# Altium PCB Screen_PCB_250426.PcbDoc (continued)
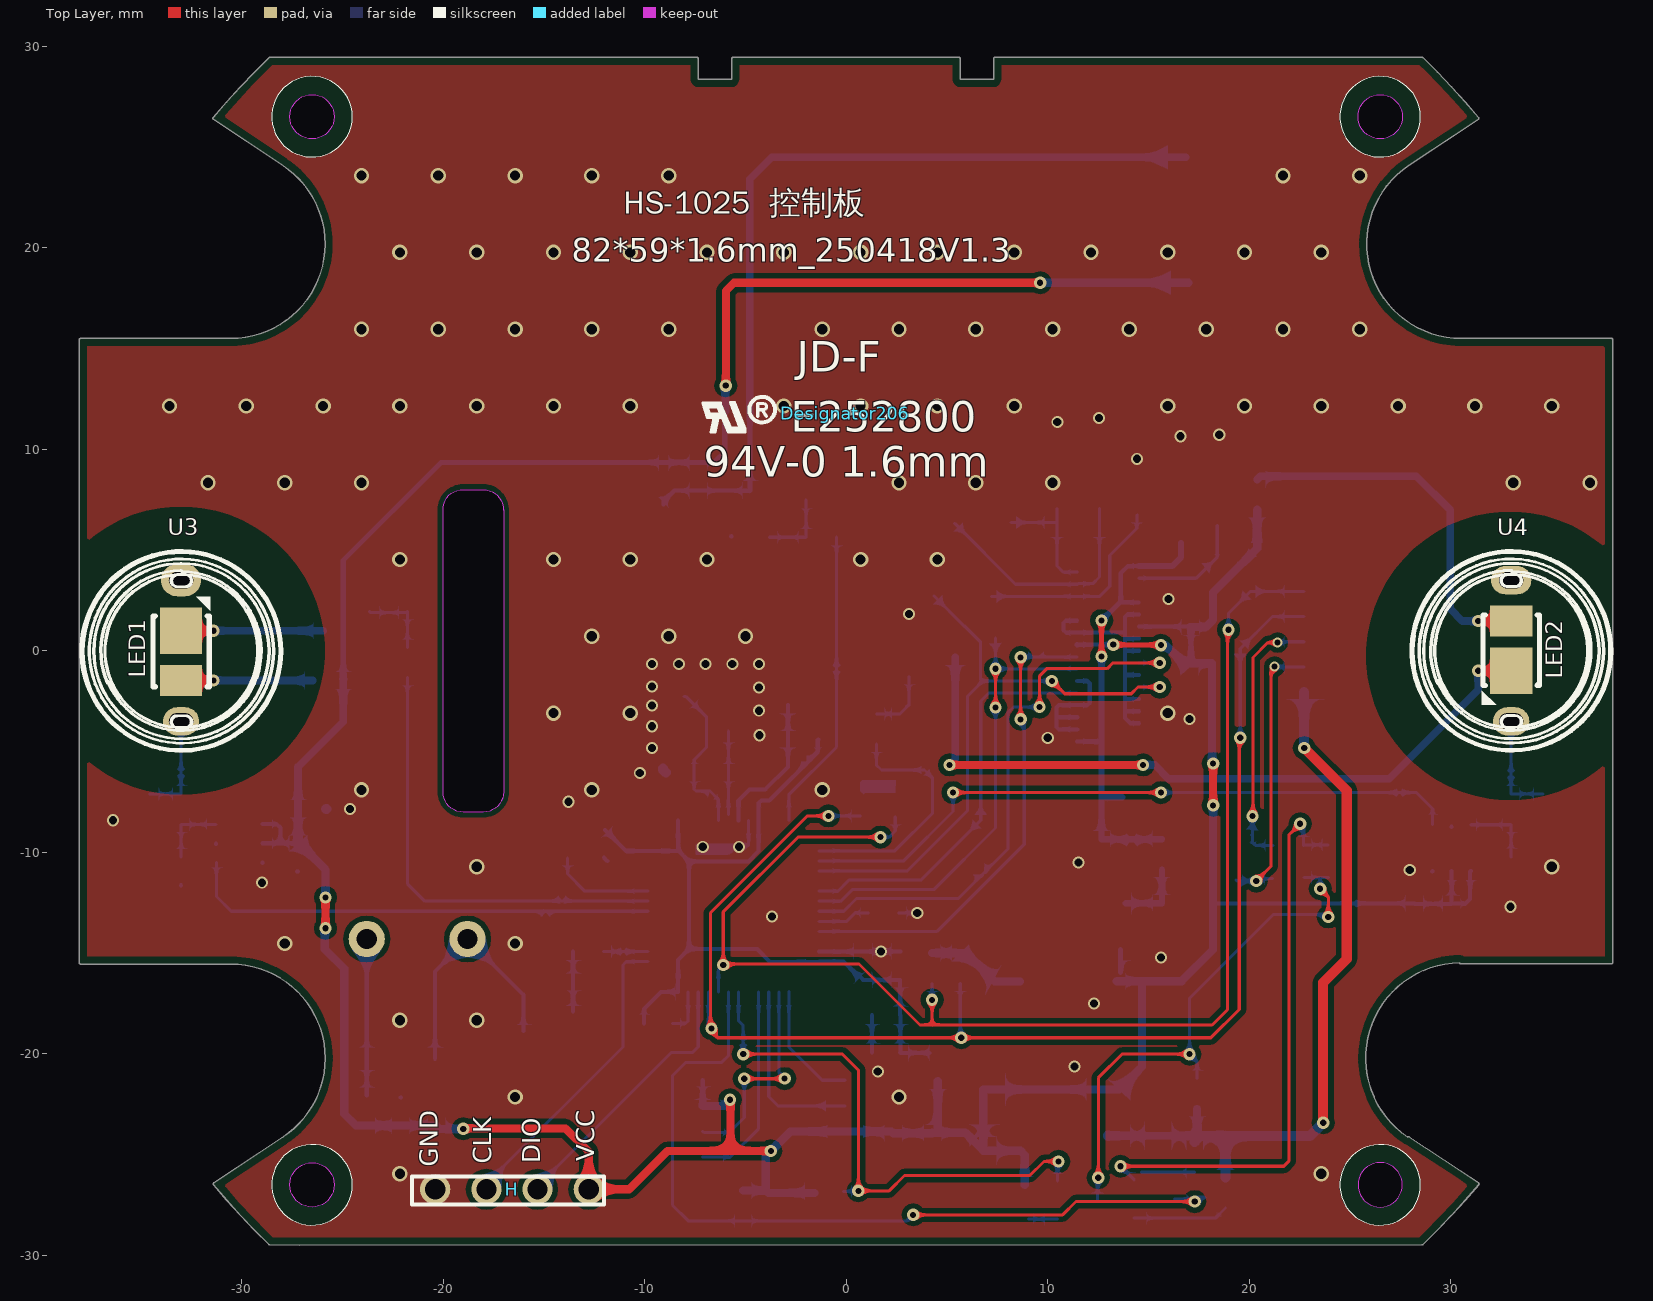
[diagram p0: Top Layer view]
## Footprints (in the part's own frame and the unit in brackets; to place one, negate y for a bottom-side part, rotate by r counter-clockwise, add the part's x,y. Pads: shape width x height; smd on the part's side, far side on the other; paste and mask are expansions set on the pad)
1.5MM测试点#1 [mm]
  oval 2.54x1.27 smd: 1(0,0)
1.5MM测试点#2 [mm]
  oval 2.54x1.27 smd: 1(0.33,0)
BUZ-TH_BD9.0-P5.00-D0.6-FD [mm]
  round 1.8 hole 1 copper offset 0,0: 1(-2.5,0)
  round 1.8 hole 1: 2(2.5,0)
  silkscreen extent -4.6,-4.6 4.6,4.6, body extent -4.5,-4.5 4.5,4.5, height 5.54
C0603 [mm]
  rect 0.8x0.9 smd paste+0 mask+0.051: 1(-0.7,0) 2(0.7,0)
  silkscreen extent -1.41,-0.71 1.39,0.72, body extent -0.8,-0.41 0.8,0.39, height 0.8
C0805 [mm]
  rect 1.41x1.35 smd paste-100 mask+0.051: 1(-1,0) 2(1,0)
  silkscreen extent -1.96,-0.9 1.96,0.9, body extent -1,-0.65 1,0.65, height 1.33
CAP-SMD_L3.2-W1.6-RD [mm]
  rect 1.5x1.296 smd paste+0 mask+0.051: 1(-1.686,0) 2(1.686,0)
  silkscreen extent -2.06,-0.95 1.68,0.95
CONN-SMD_6P-P1.25_HC-1.25-6PLT [mm] "立式"
  rect 0.7x2 smd: 1(3.125,1.273) 2(1.875,1.273) 3(0.625,1.274) 4(-0.625,1.275) 5(-1.875,1.275) 6(-3.125,1.277)
  rect 2.35x2.5 smd paste+0 mask+0.05: 7(5.4,-1.277) 8(-5.4,-1.277)
  silkscreen extent -6.11,-2.12 6.09,1.58
CRYSTAL-SMD_4P-L3.2-W2.5-BL [mm]
  rect 1.4x1.2 smd: 1(-1.1,-0.85) 2(1.1,-0.85) 3(1.1,0.85) 4(-1.1,0.85)
  silkscreen extent -2.26,-1.91 2.03,1.68
D0603-BI [mm]
  rect 0.873x0.907 smd paste-100 mask+0.051: 1(-0.622,0) 2(0.622,0)
  silkscreen extent -1.52,-0.68 1.52,0.68
F6.5-10-4.5-0.5Z#1 [mm]
  oval 1.4x1.8 hole 0.8 slot 1.2 at 90 deg paste+0 mask+0.05: 1(-3.5,0)
  oval 1.6x2 hole 0.8 slot 1.2 at 90 deg paste+0 mask+0.05: 1(3.5,0)
  silkscreen extent -5,-5 5,5, body extent -5,-5 5,5, height 7.96
F6.5-10-4.5-0.5Z#2 [mm]
  oval 1.4x1.8 hole 0.8 slot 1.2 at 90 deg paste+0 mask+0.05: 1(-3.5,0)
  oval 1.4x2 hole 0.8 slot 1.2 at 90 deg paste+0 mask+0.05: 1(3.5,0)
  silkscreen extent -5,-5 5,5, body extent -5,-5 5,5, height 7.96
FPC-SMD_31P-P0.30_HDGC_0.3K-HX-31PWB [mm]
  rect 0.3x0.67 smd paste+0 mask+0.05: 1(4.5,1.533) 3(3.9,1.533) 5(3.3,1.533) 7(2.7,1.533) 9(2.1,1.533) 11(1.5,1.533) 13(0.9,1.533) 15(0.3,1.533) 17(-0.3,1.533) 19(-0.9,1.533) 21(-1.5,1.533) 23(-2.1,1.533) 25(-2.7,1.533) 27(-3.3,1.533) 29(-3.9,1.533) 31(-4.5,1.533)
  rect 0.3x0.5 smd paste+0 mask+0.05: 2(4.2,-1.533) 4(3.6,-1.533) 6(3,-1.533) 8(2.4,-1.533) 10(1.8,-1.533) 12(1.2,-1.533) 14(0.6,-1.533) 16(0,-1.533) 18(-0.6,-1.533) 20(-1.2,-1.533) 22(-1.8,-1.533) 24(-2.4,-1.533) 26(-3,-1.533) 28(-3.6,-1.533) 30(-4.2,-1.533)
  rect 0.35x1 smd paste+0 mask+0.05: 32(-5.3,1.268) 33(5.3,1.268)
  silkscreen extent -5.75,-2.43 5.75,2.29
IND-SMD_L4.0-W4.0 [mm]
  rect 1.6x3.5 smd: 1(-1.6,0) 2(1.6,0)
  silkscreen extent -2.08,-2.1 2.08,2.1, body extent -2.01,-2.01 2.01,1.99, height 1.9
JD2 [mm] "骏达丝印"
  silkscreen extent -7.07,-0.95 -3.48,0.81
L0603 [mm]
  rect 0.8x0.864 smd paste-100 mask+0.051: 1(-0.7,0) 2(0.7,0)
  silkscreen extent -1.42,-0.65 1.41,0.67
LED-SMD_L3.5-W2.8-FD-2835_WHITE [mm]
  rect 2.3x2.1 smd: 1(1.231,0)
  rect 1.55x2.1 smd: 2(-1.231,0)
  silkscreen extent -1.54,-1.45 2.92,1.4, body extent -1.56,-1.4 2,1.4, height 2.32
LQFP-48_L7.0-W7.0-P0.50-LS9.0-BL [mm]
  oval 0.27x1.5 smd paste+0 mask+0.05: 1(-2.75,-4.25) 2(-2.25,-4.25) 3(-1.75,-4.25) 4(-1.25,-4.25) 5(-0.75,-4.25) 6(-0.25,-4.25) 7(0.25,-4.25) 8(0.75,-4.25) 9(1.25,-4.25) 10(1.75,-4.25) 11(2.25,-4.25) 12(2.75,-4.25) 25(2.75,4.25) 26(2.25,4.25) 27(1.75,4.25) 28(1.25,4.25) 29(0.75,4.25) 30(0.25,4.25) 31(-0.25,4.25) 32(-0.75,4.25) 33(-1.25,4.25) 34(-1.75,4.25) 35(-2.25,4.25) 36(-2.75,4.25)
  oval 1.5x0.27 smd paste+0 mask+0.05: 13(4.25,-2.75) 14(4.25,-2.25) 15(4.25,-1.75) 16(4.25,-1.25) 17(4.25,-0.75) 18(4.25,-0.25) 19(4.25,0.25) 20(4.25,0.75) 21(4.25,1.25) 22(4.25,1.75) 23(4.25,2.25) 24(4.25,2.75) 37(-4.25,2.75) 38(-4.25,2.25) 39(-4.25,1.75) 40(-4.25,1.25) 41(-4.25,0.75) 42(-4.25,0.25) 43(-4.25,-0.25) 44(-4.25,-0.75) 45(-4.25,-1.25) 46(-4.25,-1.75) 47(-4.25,-2.25) 48(-4.25,-2.75)
  silkscreen extent -3.59,-4.46 3.3,3.34, body extent -4.5,-4.5 4.5,4.5, height 1.45
R0603 [mm]
  rect 0.806x0.864 smd paste-100 mask+0.051: 1(-0.753,0) 2(0.753,0)
  silkscreen extent -1.39,-0.66 1.39,0.66, body extent -0.8,-0.39 0.8,0.41, height 0.8
SIP4-2.54 [mm]
  round 1.5 hole 1: 1(0,-3.81) 2(0,-1.27) 3(0,1.27) 4(0,3.81)
  silkscreen extent -0.76,-4.57 0.64,4.95
SOD-123_L2.8-W1.8-LS3.7-RD [mm]
  rect 0.95x1.15 smd: 1(-1.692,0) 2(1.692,0)
  silkscreen extent -1.58,-0.87 1.41,0.87
SOD-323_L1.7-W1.3-LS2.5-FD [mm]
  rect 0.78x0.5 smd: 1(-1.04,0) 2(1.04,0)
  silkscreen extent -0.93,-0.78 1.15,0.78
SOD-323_L1.8-W1.3-LS2.5-RD [mm]
  rect 1x0.75 smd: 1(-1.173,0) 2(1.173,0)
  silkscreen extent -1.08,-0.8 0.9,0.8
SOD-523_L1.2-W0.8-LS1.6-BI [mm]
  rect 0.6x0.6 smd: 1(-0.75,0) 2(0.75,0)
  silkscreen extent -0.65,-0.5 0.65,0.5
SOIC-8_L5.3-W5.3-P1.27-LS8.0-BL [mm]
  oval 0.63x2.25 smd: 1(-1.905,-3.53) 2(-0.635,-3.53) 3(0.635,-3.53) 4(1.905,-3.53) 5(1.905,3.53) 6(0.635,3.53) 7(-0.635,3.53) 8(-1.905,3.53)
  silkscreen extent -2.82,-3.68 2.64,2.18, body extent -2.65,-3.95 2.65,3.95, height 2.07
SOT-23-3_L2.9-W1.3-P1.90-LS2.4-BR [mm]
  rect 1.25x0.7 smd paste+0 mask+0.051: 1(1,-0.95) 2(1,0.95) 3(-1,0)
  silkscreen extent -0.73,-1.53 0.73,1.53
SOT-23-3_L2.9-W1.6-P1.90-LS2.8-BR [mm]
  rect 1.07x0.6 smd paste+0 mask+0.051: 1(1.235,-0.95) 2(1.235,0.95) 3(-1.235,0)
  silkscreen extent -0.88,-1.54 0.88,1.54
SOT-23-6_L2.9-W1.6-P0.95-LS2.8-BL [mm]
  rect 0.532x1.072 smd: 1(-0.95,-1.149) 2(0,-1.149) 3(0.95,-1.149) 4(0.95,1.149) 5(0,1.149) 6(-0.95,1.149)
  silkscreen extent -1.82,-1.45 1.54,0.89, body extent -1.44,-1.4 1.44,1.4, height 1.64
SOT-23-6_L2.9-W1.7-P0.95-LS2.8-BL [mm]
  rect 0.532x0.99 smd: 1(-0.95,-1.145) 2(0,-1.145) 3(0.95,-1.145) 4(0.95,1.145) 5(0,1.145) 6(-0.95,1.145)
  silkscreen extent -1.75,-1.37 1.53,0.93
SOT-23_L2.9-W1.3-P1.90-LS2.4-BR [mm]
  rect 1x0.8 smd: 1(1.15,-0.95) 2(1.15,0.95) 3(-1.15,0)
  silkscreen extent -0.7,-1.5 0.7,1.5
SOT-223_L6.7-W3.5-P2.30-BR [mm]
  rect 2.2x1.1 smd paste+0 mask+0.051: 1(3.099,-2.3) 2(3.099,0) 3(3.099,2.3)
  rect 2.2x3.5 smd paste+0 mask+0.051: 4(-3.099,0)
  silkscreen extent -1.8,-3.55 1.8,3.55
Test-Point-0.5mm#1 [mm]
  round 0.8 smd: 1(0,0)
Test-Point-0.5mm#2 [mm]
  round 0.5 smd: 1(0,0)
Test-Point-1.0mm [mm]
  round 0.8 smd: 1(0,0)
工艺要求FR4双面 [mil]
  round 5 on Top Overlay: 1(-831.3,398.3) 1(-831.3,603.02) 1(-831.3,799.87) 1(2977.08,398.3)
  silkscreen extent -2977,-800 2977,800
版本修改 [mm]
  silkscreen extent 0,-11.51 49.28,0

## Part data
BUZZER1: library part HNB09A03
C1 C3: library part HGC0603R5226M100NTHJ
C15 C16 C17: library part CAP-EC, "Capacitor"
C31: library part CL21B475KAFNNNE
C32 C33: library part CAP, "Capacitor"
D1: library part 1N5819WS_C191023
D6: library part 1N4148W_C2099
D7: library part B5819WS_C7420331
H: "Connector"
L1: library part YNR4030-100M
Q1 Q2: library part SI2302_C2938373
Q3: library part PNP-S8550_C397181
R1 R11 R12 R13 R15 R18: library part 0603WAF1002T5E
R2: library part 0603WAF2203T5E
R10: library part RS-03K1001FT
R16 R19: library part 0603WAF1002T5E_1
R20 R21: library part RES-SMD
T1 T2: library part CON1, "Connector"
TP1 TP2 TP3 TP4 TP5 TP6 TP7 TP8 TP9 TP10 TP11 TP12 TP13 TP14 TP15 TP16 TP17 TP18 TP19 TP20 TP21: "Test Point 测试点"
U3 U4: library part F6.5-10-4.6-0.5Z

## Via types
v1: diameter 0.762, hole 0.508, Top Layer to Bottom Layer, tented both sides, 83 vias
v2: diameter 0.6, hole 0.406, Top Layer to Bottom Layer, 38 vias
v3: diameter 0.61, hole 0.305, Top Layer to Bottom Layer, 29 vias
v4: diameter 0.61, hole 0.305, Top Layer to Bottom Layer, tented both sides, 25 vias
v5: diameter 0.5, hole 0.305, Top Layer to Bottom Layer, 2 vias

## Nets (pads, with @x,y where several pads share a name; then routed paths per layer and width w, separated by ;. In a path a pad name is that pad's centre, name@x,y a point inside that pad or via, vN(x,y) a via of type N, cw(c..) or ccw(c..) an arc to the next point about the centre after c; other vN are vias at no path point)
3V3: C2.2 C3.2 C4.2 C5.2 C6.2 C7.2 C10.2 C11.1 C13.2 C14.1 C18.2 C19.2 C23.1 D7.2 EC116.1 FPC1.17 FPC1.20 H.1 L1.1 L2.1 R5.2 R6.2 R7.1 R20.1 R21.2 R54.2 R55.2 R59.1 T1.1 TP14.1 U1.4 U1.5 U2.3 U2.7 U2.8 U5.4 U5.5 U6.4 U6.5 U7.2 U7.4 | length 214.3
  Top Layer w0.254: v4(13.259,0.305) 13.271,0.292 15.609,0.292 v4(15.621,0.28)
  Top Layer w0.4: v3(-5.969,13.157) -5.969,17.856 -5.563,18.263 v3(9.627,18.263)
  Top Layer w0.406: v4(-25.832,-13.767) v4(-25.832,-12.243) ; v3(-18.999,-23.724) -18.974,-23.698 -13.919,-23.698 -12.77,-24.848 H.1 -10.77,-26.721 -8.865,-24.816 -5.74,-24.816 ; v3(-5.758,-22.276) -5.74,-22.276 -5.74,-24.816 ; v4(-3.734,-24.816) -5.74,-24.816 ; v4(18.212,-7.671) v4(18.212,-5.596)
  Bottom Layer w0.203: U5.5 -28.073,-9.55 ; U5.4 -28.255,-8.6 -28.073,-8.782 -28.073,-9.55 ; C6.2 -28.073,-9.55 ; U2.7 U2.8 ; FPC1.17@11.47,0.303 13.231,0.303 v4@13.234,0.305 ; FPC1.20@14.533,1.2 17.11,1.2 17.11,1.18 C18.2@17.11,-0.624 ; 18.364,-12.533 C5.2 ; C5.2@28.194,-12.559 30.037,-12.559 C4.2@30.049,-12.547 ; U6.5@30.049,-10.924 C4.2@30.049,-12.547 ; U6.4@30.999,-10.924 30.964,-10.959 30.964,-12.318 30.734,-12.547 C4.2@30.049,-12.547
  Bottom Layer w0.254: R5.2 -24.951,4.487 -20.093,9.345 -7.367,9.345 -7.366,9.347 -6.553,9.347 -6.02,9.88 -6.02,11.904 ; FPC1.17@11.468,0.3 FPC1.17@11.47,0.303 ; v4@13.234,0.305 v4(13.259,0.305) ; 13.623,-15.965 U1.4@13.623,-14.832
  Bottom Layer w0.381: C6.2 C7.2 -27.192,-5.755 -24.951,-3.514 R5.2@-24.951,-1.45
  Bottom Layer w0.4: -5.995,11.904 -5.995,13.131 v3(-5.969,13.157) ; R21.2 5.664,-14.995 5.952,-14.995 7.366,-16.408 L1.1 ; v3(9.627,18.263) T1.1
  Bottom Layer w0.406: C6.2@-27.192,-9.576 -27.117,-9.576 -25.832,-10.861 v4(-25.832,-12.243) ; v4(-25.832,-13.767) -25.871,-13.806 -25.871,-14.795 -24.902,-15.763 -24.902,-22.977 -24.317,-23.562 R7.1 -20.332,-23.562 C13.2 -20.171,-23.724 v3(-18.999,-23.724) ; U2.7 -6.063,-22.581 v3(-5.758,-22.276) ; R59.1 -3.962,-26.78 ; R54.2@-1.566,-26.899 -3.844,-26.899 -3.962,-26.78 ; C11.1@4.547,-23.673 L2.1 ; R55.2 8.865,-25.019 8.652,-24.806 C10.2 ; C3.2 14.649,-16.394 ; 14.681,-16.479 14.681,-20.641 13.555,-21.768 U7.2 U7.4 C10.2 ; 14.708,-16.453 14.649,-16.394 ; v4(15.621,0.28) 15.849,0.28 16.753,-0.624 17.11,-0.624 18.161,-0.624 18.161,-5.418 v4(18.212,-5.596) ; C19.2 17.11,1.18 17.867,1.18 18.212,1.524 18.212,2.896 20.396,5.08 R6.2 ; v4(18.212,-7.671) 18.212,-14.834 16.651,-16.394 14.649,-16.394 ; -3.962,-26.78 -3.988,-26.755 -3.988,-25.07 v4(-3.734,-24.816) -2.769,-23.851 U2.3 2.249,-23.851 C2.2 4.267,-23.938 C11.1 5.913,-23.913 C10.2
  Bottom Layer w0.508: C6.2@-27.192,-9.576 C6.2
13V5: C1.1 C30.1 C31.1 D1.1 FPC1.1 FPC1.24 FPC1.30 R2.1 TP21.1 | length 23.8
  Top Layer w0.254: v4(12.675,-0.279) v4(12.675,1.499)
  Bottom Layer w0.203: FPC1.1 12.675,-4.5 ; 13.576,2.4 FPC1.24 ; 13.627,2.451 13.627,3.848 13.979,4.2 FPC1.30
  Bottom Layer w0.254: v4(12.675,1.499) 13.627,2.451
  Bottom Layer w0.305: C1.1@12.673,-9.355 R2.1@15.67,-9.355 ; C1.1@12.673,-9.343 12.673,-7.344 12.675,-7.342 ; v4(12.675,-0.279) 12.675,-4.5 12.675,-7.342 ; C31.1 12.752,-7.264 12.675,-7.342 ; FPC1.30 16.189,4.2 16.612,4.623 C30.1@16.612,5.333
BUZZER: R10.1 TP11.1 U8.38 | length 2.2
  Bottom Layer w0.152: R10.1 U8.38
GND: C1.2 C2.1 C3.1 C4.1 C5.1 C6.1 C7.1 C8.1 C9.1 C10.1 C11.2 C12.1 C13.1 C14.2 C15.2 C16.2 C17.2 C18.1 C19.1 C20.1 C21.1 C22.1 C24.1 C25.1 C26.1 C27.1 C28.1 C29.1 C30.2 C31.2 C32.2 C33.2 CN2.6 D2.2 D3.2 D4.1 D5.1 FPC1.3 FPC1.4 FPC1.5 FPC1.6 FPC1.7 FPC1.8 FPC1.11 FPC1.12 FPC1.16 FPC1.18 FPC1.19 FPC1.21 FPC1.22 H.4 Q1.2 Q2.2 Q3.2 Q4.2 R1.2 R11.2 R12.2 R13.2 R14.1 R16.1 R18.2 R19.1 TP6.1 U1.2 U2.4 U5.2 U5.6 U6.2 U6.6 U7.1 U8.8 U8.23 U8.35 U8.47 X1.2 X1.4 | length 32.7
  Bottom Layer w0.152: C27.1 -7.965,-18.491 -7.838,-18.364 U8.35 ; -5.758,-9.804 -5.029,-9.804 -4.838,-9.613 U8.8 ; R19.1 v2(3.531,-13.005)
  Bottom Layer w0.203: C8.1@-32.997,-11.636 C8.1@-32.994,-11.639 ; U5.2@-31.269,-9.576 U5.2@-31.263,-9.581 ; U5.6@-28.956,-10.526 -28.956,-10.502 U5.6 ; C6.1@-27.242,-10.95 C6.1 ; C14.2 C14.2@-22.084,-22.174 ; C26.1@-12.008,-10.27 C26.1@-11.854,-10.425 ; Q4.2@-5.7,5.682 Q4.2@-5.69,5.672 ; U8.23 C28.1@0.838,-14.925 ; C28.1 C29.1 ; C21.1@1.281,-19.939 C22.1 ; 10.44,-3.353 10.44,-3.781 10.559,-3.9 FPC1.3@11.468,-3.9 ; FPC1.21@11.46,1.492 10.914,1.492 10.795,1.373 10.795,1.019 10.914,0.9 13.821,0.9 13.835,0.886 ; FPC1.5@11.468,-3.3 10.493,-3.3 10.441,-3.352 10.441,-2.819 10.56,-2.7 11.971,-2.7 12.09,-2.581 12.09,-1.619 11.971,-1.5 FPC1.11@11.468,-1.5 ; FPC1.4@14.529,-3.596 14.112,-3.596 13.843,-3.327 13.843,-2.917 ; FPC1.6@14.533,-3 13.926,-3 13.843,-2.917 ; FPC1.8@14.533,-2.4 13.95,-2.4 13.843,-2.506 ; FPC1.12@14.533,-1.2 13.892,-1.2 13.843,-1.151 ; FPC1.16@14.533,0 13.869,0 13.843,0.026 ; FPC1.18@14.533,0.6 13.859,0.6 13.843,0.584 ; FPC1.22@14.533,1.8 13.962,1.8 13.835,1.673 13.835,0.897 13.843,0.889 13.843,0.584 ; U6.6@29.083,-10.953 U6.6@29.106,-10.931 ; U6.2@30.045,-8.732 U6.2@30.048,-8.736 ; 13.843,-2.917 13.843,-2.506 ; 13.843,-2.506 13.843,-1.422 13.843,-1.151 ; 13.843,-1.151 13.843,0.026 ; 13.843,0.026 13.843,0.584
  Bottom Layer w0.508: C7.1@-25.792,-7.855 C7.1 ; C20.1@-9.084,-5.849 -9.084,-5.899 C20.1@-8.938,-6.045
  other v1: -22.14,-25.953 23.58,-25.953 -16.425,-22.143 2.625,-22.143 -22.14,-18.333 -18.33,-18.333 -27.855,-14.523 -16.425,-14.523 -18.33,-10.713 35.01,-10.713 -24.045,-6.903 -12.615,-6.903 -1.185,-6.903 -14.52,-3.093 -10.71,-3.093 15.96,-3.093 -12.615,0.717 -8.805,0.717 -4.995,0.717 -22.14,4.527 -14.52,4.527 -10.71,4.527 -6.9,4.527 0.72,4.527 4.53,4.527 -31.665,8.337 -27.855,8.337 -24.045,8.337 2.625,8.337 6.435,8.337 10.245,8.337 33.105,8.337 36.915,8.337 -33.57,12.147 -29.76,12.147 -25.95,12.147 -22.14,12.147 -18.33,12.147 -14.52,12.147 -10.71,12.147 -3.09,12.147 0.72,12.147 4.53,12.147 8.34,12.147 15.96,12.147 19.77,12.147 23.58,12.147 27.39,12.147 31.2,12.147 35.01,12.147 -24.045,15.957 -20.235,15.957 -16.425,15.957 -12.615,15.957 -8.805,15.957 -1.185,15.957 2.625,15.957 6.435,15.957 10.245,15.957 14.055,15.957 17.865,15.957 21.675,15.957 25.485,15.957 -22.14,19.767 -18.33,19.767 -14.52,19.767 -10.71,19.767 -6.9,19.767 -3.09,19.767 0.72,19.767 4.53,19.767 8.34,19.767 12.15,19.767 15.96,19.767 19.77,19.767 23.58,19.767 -24.045,23.577 -20.235,23.577 -16.425,23.577 -12.615,23.577 -8.805,23.577 21.675,23.577 25.485,23.577
  other v2: 1.575,-20.879 11.328,-20.625 12.294,-17.501 15.621,-15.215 1.727,-14.921 -3.683,-13.183 32.969,-12.7 -28.981,-11.506 27.965,-10.871 11.532,-10.5 -7.111,-9.728 -5.309,-9.728 -36.373,-8.407 -24.613,-7.849 -13.767,-7.493 -10.236,-6.071 -9.627,-4.826 10.008,-4.318 -4.293,-4.191 -9.627,-3.746 17.043,-3.378 -4.318,-2.972 -9.627,-2.718 -4.318,-1.829 -9.627,-1.778 -9.627,-0.66 -8.299,-0.66 -6.972,-0.66 -5.645,-0.66 -4.318,-0.66 3.124,1.829 16.002,2.565 14.427,9.525 16.586,10.643 18.517,10.719 10.481,11.354 12.548,11.557
LED_T1: R8.2 TP13.1 U8.43 | length 22.5
  Bottom Layer w0.152: R8.2 -21.768,-11.557 -20.9,-12.425 U8.43
LED_T2: R9.2 TP12.1 U8.13 | length 12.2
  Bottom Layer w0.152: U8.13 2.42,-9.925 4.293,-8.052 4.293,-6.325 TP12.1 1.753,-5.918 1.499,-5.664 R9.2
MCU3V3: C21.2 C22.2 C26.2 C27.2 C28.2 C29.2 L2.2 R15.1 TP7.1 U8.1 U8.9 U8.24 U8.36 U8.48 | length 42.6
  Bottom Layer w0.203: C26.2@-11.964,-8.886 -11.954,-8.886 -11.666,-9.174 -11.666,-9.185 -10.915,-9.935 U8.48@-9.848,-9.935 ; C27.2 -10.022,-17.769 -9.178,-16.925 U8.36 -8.338,-15.334 -7.798,-14.793 ; U8.48@-9.827,-9.935 -8.363,-9.935 -8.338,-9.91 ; U8.1 -8.338,-9.91 ; U8.9@-4.338,-8.435 -4.343,-8.441 -4.343,-9.942 -4.851,-10.45 -7.798,-10.45 ; U8.9 -4.338,-7.556 -4.203,-7.421 -3.814,-7.421 -1.405,-5.012 -1.405,-4.419 R15.1 ; C28.2 0.54,-16.023 0.476,-16.023 -0.122,-15.425 -1.327,-15.425 -1.338,-15.435 -3.767,-15.435 -4.409,-14.793 -7.798,-14.793 ; C28.2@0.852,-16.335 C29.2@2.678,-16.335 ; C21.2@2.681,-19.939 2.692,-19.95 L2.2@4.129,-19.95 ; C22.2 C29.2@2.681,-16.332 ; C21.2 C22.2@2.693,-18.096 ; -8.338,-9.91 -7.798,-10.45 ; -7.798,-14.793 -7.798,-10.45
Motor_1: R17.1 TP16.1 U8.12 | length 15
  Bottom Layer w0.152: U8.12 -2.838,-7.144 -0.475,-4.781 R17.1
NetBUZZER1_1: BUZZER1.1 D6.1 R7.2 | length 7.8
  Bottom Layer w0.203: R7.2 D6.1 BUZZER1.1
NetBUZZER1_2: BUZZER1.2 D6.2 Q3.3 | length 12.3
  Bottom Layer w0.203: D6.2 -20.4,-15.916 BUZZER1.2 -16.016,-17.069 Q3.3
NetC8_2: C8.2 R3.2 U5.3 | length 3.3
  Bottom Layer w0.152: C8.2@-32.997,-10.236 -32.997,-8.618 -31.277,-8.618 U5.3@-31.269,-8.626
NetC9_2: C9.2 R4.2 U6.3 | length 3.6
  Bottom Layer w0.152: U6.3@30.999,-8.634 32.985,-8.634 33,-8.618 33,-10.216 C9.2@32.995,-10.222
NetC15_1: C15.1 EC109.1 FPC1.29 | length 6.2
  Bottom Layer w0.152: EC109.1 C15.1 ; C15.1@10.465,7.052 10.465,4.217 10.782,3.9 FPC1.29@11.468,3.9
NetC16_1: C16.1 EC110.1 FPC1.28 | length 5.9
  Bottom Layer w0.152: FPC1.28@14.533,3.6 17.367,3.6 18.415,4.648 C16.1@18.415,6.214
NetC17_1: C17.1 EC107.1 FPC1.27 | length 11.9
  Bottom Layer w0.152: EC107.1 8.409,3.3 FPC1.27 ; FPC1.27@11.498,3.33 12.246,3.33 12.573,3.658 C17.1@12.573,7.052
NetC20_2: C20.2 TP10.1 U8.5 X1.3 | length 7.8
  Bottom Layer w0.152: X1.3 -7.934,-2.274 -6.934,-3.274 -6.934,-4.801 -7.538,-5.404 -7.538,-6.87 -7.449,-6.96 -6.756,-6.96 -6.338,-7.378 U8.5
NetC23_2: C23.2 D7.1 Q4.3 T2.1 TP15.1 | length 42.2
  Bottom Layer w0.203: D7.1@-9.068,7.266 -9.068,7.406 -8.526,7.947 Q4.3@-4.775,7.947
  Bottom Layer w0.254: Q4.3@-4.775,7.947 -4.775,11.907
  Bottom Layer w0.381: -4.775,11.907 -4.775,23.394 -3.683,24.486 T2.1
NetC24_2: C24.2 U8.6 X1.1 | length 4.1
  Bottom Layer w0.152: U8.6@-5.838,-8.12 -5.838,-6.045 -5.838,-3.978 X1.1
NetC25_2: C25.2 R15.2 U8.7 | length 7.2
  Bottom Layer w0.203: U8.7 -5.338,-7.421 -4.801,-6.883 -4.013,-6.883 -2.887,-5.757 R15.2 C25.2
NetC32_1: C32.1 CN2.4 R20.2 TP4.1 U8.33 | length 68.6
  Top Layer w0.152: v3@-6.706,-18.872 -6.375,-19.202 v3(5.715,-19.202) ; v3(-6.68,-18.745) -6.731,-18.694 -6.731,-13.005 -1.919,-8.193 v3(-0.878,-8.193) ; v3@5.766,-19.152 v3(5.715,-19.202) ; v3(19.558,-4.318) 19.507,-4.369 19.507,-17.796 18.101,-19.202 v3(5.715,-19.202)
  Bottom Layer w0.152: U8.33 -6.838,-18.587 v3(-6.68,-18.745) ; v3(-0.878,-8.193) C32.1 ; R20.2 5.664,-19.152 v3(5.715,-19.202) ; v3(19.558,-4.318) TP4.1 21.155,1.698 CN2.4
NetC33_1: C33.1 CN2.5 R21.1 TP5.1 U8.32 | length 67.5
  Top Layer w0.152: v3(1.702,-9.246) -2.388,-9.246 -6.096,-12.954 v3(-6.096,-15.596) -6.04,-15.54 0.642,-15.54 3.67,-18.567 4.267,-18.567 ; v3(4.267,-17.323) 4.267,-18.567 ; v3(18.974,1.041) 18.923,0.991 18.923,-17.805 18.161,-18.567 4.267,-18.567
  Bottom Layer w0.152: U8.32 -6.338,-15.838 v3(-6.096,-15.596) ; v3(1.702,-9.246) 2.134,-9.246 2.438,-8.941 C33.1 ; v3(4.267,-17.323) R21.1 ; v3(18.974,1.041) 18.978,1.037 18.978,1.858 TP5.1 CN2.5
NetCN2_2: CN2.2 R34.1 TP2.1 | length 14.2
  Top Layer w0.152: v3(20.351,-11.425) 21.082,-10.693 v5@21.082,-0.889
  Bottom Layer w0.152: TP2.1 19.4,-11.425 v3(20.351,-11.425) 20.472,-11.303 R34.1 ; v5(21.26,-0.787) 21.274,-0.802 CN2.2
NetCN2_3: CN2.3 R33.1 TP3.1 | length 14.2
  Top Layer w0.152: v3(20.168,-8.204) 20.193,-8.179 20.193,-0.33 20.93,0.406 v5(21.412,0.406)
  Bottom Layer w0.152: TP3.1 20.142,-9.169 20.168,-9.144 v3(20.168,-8.204) 20.168,-9.449 20.142,-9.474 20.32,-9.652 R33.1 ; v5(21.412,0.406) 21.454,0.448 CN2.3
NetD1_2: D1.2 L1.2 U1.1
NetD2_1: D2.1 R3.1 TP17.1 U3.1 | length 5.2
  Bottom Layer w0.152: D2.1@-34.569,-7.1 -33.009,-7.1 -33,-7.109 U3.1@-33,-3.5
NetD3_1: D3.1 R4.1 TP19.1 U4.1 | length 5.2
  Bottom Layer w0.152: U4.1@32.995,-3.5 32.995,-7.106 33.001,-7.1 D3.1@34.57,-7.1
NetD4_2: D4.2 Q11.2 R33.2 R57.2 | length 31.3
  Top Layer w0.152: v3(13.614,-25.578) 21.717,-25.578 21.971,-25.324 21.971,-9.144 v3(22.53,-8.585)
  Bottom Layer w0.152: v3(13.614,-25.578) Q11.2 ; 14.67,-25.874 R57.2 ; v3(22.53,-8.585) 22.699,-8.754 R33.2 ; R33.2@22.724,-9.627 D4.2
NetD5_2: D5.2 Q10.3 R34.2 R56.1 | length 27.2
  Top Layer w0.152: v3(12.513,-26.145) 12.513,-21.192 13.691,-20.015 v3(17.043,-20.015) ; v3(23.52,-11.811) 23.927,-12.217 v3(23.927,-13.208)
  Bottom Layer w0.152: Q10.3 12.481,-26.178 v3(12.513,-26.145) ; R56.1 17.415,-20.387 v3(17.043,-20.015) 17.043,-17.247 21.209,-13.081 23.8,-13.081 v3(23.927,-13.208) ; R34.2@22.724,-11.252 23.571,-11.252 ; v3(23.52,-11.811) 23.52,-11.303 23.571,-11.252 ; D5.2 23.571,-11.252
NetFPC1_25: EC108.1 FPC1.25 R14.2 | length 10.2
  Bottom Layer w0.152: EC108.1 FPC1.25 ; FPC1.25@11.468,2.7 12.581,2.7 13.081,3.2 13.081,4.724 14.424,6.067 14.424,6.711 R14.2
NetLED1_1: LED1.1 Q1.3 | length 7.1
  Top Layer w0.381: LED1.1@-33.003,0.8 -32.812,0.991 v4(-31.394,0.991)
  Bottom Layer w0.381: v4(-31.394,0.991) Q1.3
NetLED1_2: LED1.2 R5.1 | length 6.5
  Top Layer w0.381: LED1.2 v4(-31.394,-1.471)
  Bottom Layer w0.381: v4(-31.394,-1.471) R5.1
NetLED2_1: LED2.1 Q2.3 | length 36.4
  Top Layer w0.381: v3(5.131,-5.664) v3(14.732,-5.664) ; v4(31.369,-0.991) LED2.1
  Bottom Layer w0.381: v3(5.131,-5.664) 5.417,-5.378 Q2.3 ; v3(14.732,-5.664) 15.309,-5.664 15.99,-6.345 26.954,-6.345 31.369,-1.93 v4(31.369,-0.991)
NetLED2_2: LED2.2 R6.1 | length 18.5
  Top Layer w0.381: v4(31.369,1.473) 31.371,1.471 LED2.2
  Bottom Layer w0.381: R6.1 20.557,8.661 28.296,8.661 29.972,6.985 29.972,2.083 30.582,1.473 v4(31.369,1.473)
NetQ1_1: Q1.1 R8.1 R11.1 | length 3.7
  Bottom Layer w0.152: Q1.1 -23.594,1.894 -21.815,1.894 R11.1 R8.1
NetQ2_1: Q2.1 R9.1 R12.1 | length 3.2
  Bottom Layer w0.152: R9.1 2.667,-3.133 3.117,-2.683 Q2.1
NetQ3_1: Q3.1 R10.2 R13.1 | length 3
  Bottom Layer w0.203: Q3.1 R13.1 R10.2
NetQ4_1: Q4.1 R17.2 R18.1 | length 3.7
  Bottom Layer w0.152: Q4.1 R17.2 R18.1
NetQ10_1: Q10.1 R55.1 | length 1.4
  Bottom Layer w0.152: R55.1@9.061,-28.204 Q10.1
NetQ10_2: Q10.2 R54.1 TP8.1 U8.30 | length 27.5
  Top Layer w0.152: v3(-5.105,-20.015) -0.178,-20.015 0.61,-20.803 v3(0.61,-26.797) 2.134,-26.797 2.896,-26.035 9.119,-26.035 9.816,-25.338 v3(10.541,-25.338)
  Bottom Layer w0.152: U8.30 -5.338,-18.36 -5.105,-18.593 v3(-5.105,-20.015) ; R54.1 0.584,-26.822 v3(0.61,-26.797) ; Q10.2 10.481,-25.398 v3(10.541,-25.338)
NetQ11_1: Q11.1 R58.2 | length 4.7
  Bottom Layer w0.152: Q11.1 18.32,-28.153 R58.2
NetQ11_3: Q11.3 R59.2 TP9.1 U8.31 | length 41
  Top Layer w0.152: v3(3.327,-27.991) 10.744,-27.991 11.405,-27.33 v3(17.297,-27.33)
  Bottom Layer w0.152: U8.31 -5.838,-20.087 -6.172,-20.422 -7.945,-20.422 -8.611,-21.087 -8.611,-27.508 -7.832,-28.287 R59.2 3.031,-28.287 v3(3.327,-27.991) ; Q11.3 17.17,-27.203 v3(17.297,-27.33) 17.501,-27.127 TP9.1
NetR1_1: R1.1 U1.3 | length 3.5
  Bottom Layer w0.305: U1.3@13.879,-12.525 15.67,-12.525 15.67,-10.862
NetR16_2: R16.2 U8.44 | length 5.1
  Bottom Layer w0.152: R16.2 -13.818,-11.074 -12.967,-11.925 U8.44
NetR19_2: R19.2 U8.20 | length 2.6
  Bottom Layer w0.152: U8.20 0.035,-13.425 0.455,-13.005 R19.2
OLED_CS: EC111.1 FPC1.15 U8.21 | length 24.1
  Top Layer w0.152: v4(8.661,-3.404) v4(8.661,-0.325)
  Bottom Layer w0.152: U8.21 4.516,-13.925 8.839,-9.601 8.839,-3.581 v4(8.661,-3.404) ; v4(8.661,-0.325) 8.674,-0.313 11.434,-0.313 FPC1.15
OLED_DC: EC113.1 FPC1.13 U8.18 | length 23.7
  Top Layer w0.152: v4(7.417,-2.819) v4(7.417,-0.889)
  Bottom Layer w0.152: U8.18 -0.258,-12.425 0.328,-11.839 4.375,-11.839 7.417,-8.797 v4(7.417,-2.819) ; EC113.1@7.417,0.635 v4(7.417,-0.889) 7.422,-0.894 11.441,-0.894 FPC1.13
OLED_RST: EC112.1 FPC1.14 U8.19 | length 27.9
  Top Layer w0.152: v4(9.601,-2.794) 9.601,-1.245 9.957,-0.889 12.954,-0.889 13.243,-0.6 v4(15.565,-0.6)
  Bottom Layer w0.152: U8.19 -0.111,-12.925 0.517,-12.296 5.57,-12.296 8.026,-9.839 8.026,-8.814 8.026,-3.073 8.306,-2.794 v4(9.601,-2.794) ; FPC1.14 v4(15.565,-0.6)
OLED_SCL(SPI1_SCK): EC115.1 FPC1.10 U8.15 | length 30.9
  Top Layer w0.152: v4(10.211,-1.499) 10.846,-2.134 14.148,-2.134 14.481,-1.8 v4(15.565,-1.8)
  Bottom Layer w0.152: U8.15 3.035,-10.925 6.02,-7.94 6.02,-2.261 6.782,-1.499 ; EC115.1 5.893,1.194 5.893,1.219 6.661,0.451 6.661,-1.378 6.782,-1.499 ; v4(10.211,-1.499) 6.782,-1.499 ; FPC1.10 v4(15.565,-1.8)
OLED_SDA(SPI1_MOSI): EC114.1 FPC1.9 U8.17 | length 20.3
  Bottom Layer w0.152: U8.17 -0.405,-11.925 0.138,-11.382 3.706,-11.382 EC114.1 6.68,-2.489 7.069,-2.1 FPC1.9
SPI2_MISO: U2.2 U8.27 | length 9.2
  Bottom Layer w0.152: U8.27 -3.838,-22.121 -3.378,-22.581 U2.2
SPI2_MOSI: U2.5 U8.28 | length 10.1
  Bottom Layer w0.152: U2.5 -5.748,-25.121 -4.338,-23.71 U8.28
SPI2_NSS: U2.1 U8.25 | length 6.2
  Bottom Layer w0.152: U8.25@-2.843,-16.92 U8.25 -2.838,-19.66 -1.187,-21.311 U2.1
SPI2_SCK: U2.6 U8.26 | length 10.7
  Top Layer w0.152: v4(-5.055,-21.234) -3.057,-21.234 v4(-3.048,-21.226)
  Bottom Layer w0.152: U2.6 -7.061,-23.901 -5.799,-23.901 -5.055,-23.157 v4(-5.055,-21.234) ; U8.26 -3.338,-20.936 v4(-3.048,-21.226)
SWDCLK: H.3 U8.37 | length 15.7
  Bottom Layer w0.152: H.3@-17.348,-26.721 -17.932,-26.137 -17.551,-26.137 -11.074,-19.66 -11.074,-15.596 -10.903,-15.425 U8.37
SWDIO: H.2 U8.34 | length 13.6
  Bottom Layer w0.152: H.2@-15.189,-26.67 -15.189,-26.439 -8.689,-19.939 -7.628,-19.939 -7.338,-19.649 U8.34
Touch_1: TP18.1 U5.1 U8.42 | length 23.4
  Bottom Layer w0.152: U5.1 -31.244,-12.19 -30.509,-12.925 U8.42
Touch_2: TP20.1 U6.1 U8.14 | length 33.5
  Top Layer w0.152: v4(5.309,-7.036) v4(15.621,-7.036)
  Bottom Layer w0.152: U8.14 2.86,-10.425 5.309,-7.976 v4(5.309,-7.036) ; v4(15.621,-7.036) 28.296,-7.036 29.098,-7.838 U6.1
VCC5V: C12.2 CN2.1 R56.2 R57.1 R58.1 TP1.1 U7.3 | length 37.4
  Top Layer w0.5: v3(22.73,-4.823) 24.841,-6.934 24.841,-15.291 23.673,-16.459 v3(23.673,-23.419)
  Bottom Layer w0.381: U7.3 R57.1@17.415,-24.068 ; R57.1@17.415,-24.25 R57.1@17.415,-24.068 ; R56.2 R57.1@17.415,-24.068
  Bottom Layer w0.5: R57.1 R57.1@17.415,-24.25 ; R57.1@17.415,-24.068 18.821,-24.068 ; R58.1 18.821,-24.068 ; v3(22.73,-4.823) CN2.1 ; v3(23.673,-23.419) 23.024,-24.068 18.821,-24.068
pads on no net: CN2.7 CN2.8 EC24.1 FPC1.2 FPC1.23 FPC1.26 FPC1.31 FPC1.32 FPC1.33 R2.2 U1.6 U8.2 U8.3 U8.4 U8.10 U8.11 U8.16 U8.22 U8.29 U8.39 U8.40 U8.41 U8.45 U8.46
copper on no net: | length 0
  Bottom Layer w0.152: 11.468,3.3 11.498,3.33
  Bottom Layer w0.508: 13.005,-24.068 13.007,-24.066

## Polygon pours and split planes (outlines as drawn)
GND on Bottom Layer "GND_L02_P077" (solid, remove dead copper, pour order 77): 28.219,31.115 -33.325,31.115 -40.665,23.774 -40.665,-21.031 -30.505,-31.191 33.68,-31.191 40.386,-24.486 40.386,20.345 29.616,31.115
3V3 on Bottom Layer "3V3_L02_P074" (solid, remove dead copper, pour order 74): 14.173,-16.595 13.978,-16.79 10.596,-16.79 10.137,-17.247 6.655,-17.247 6.655,-15.621 12.497,-15.621 12.624,-15.494 12.624,-14.275 14.173,-14.275
NetD1_2 on Bottom Layer "NETD1_2_L02_P075" (solid, remove dead copper, pour order 75): 6.616,-12.383 7.811,-11.188 11.517,-11.188 12.279,-11.95 12.279,-13.043 11.288,-14.033 6.616,-14.033
13V5 on Bottom Layer "13V5_L02_P073" (solid, remove dead copper, pour order 73): 13.133,-8.915 10.251,-8.915 10.251,-9.802 13.133,-9.802
GND on Top Layer "GND_L01_P079" (solid, remove dead copper, pour order 79): 28.219,31.115 -33.325,31.115 -40.665,23.774 -40.665,-21.031 -30.505,-31.191 33.68,-31.191 40.386,-24.486 40.386,20.345 29.616,31.115

## Other copper
Top Layer:
  pour cut-out: 24.5,26.5 ccw(c26.5,26.5) 26.5,24.5 ccw(c26.5,26.5) 28.5,26.5 ccw(c26.5,26.5) 26.5,28.5 ccw(c26.5,26.5)
  pour cut-out: -28.5,26.5 ccw(c-26.5,26.5) -26.5,24.5 ccw(c-26.5,26.5) -24.5,26.5 ccw(c-26.5,26.5) -26.5,28.5 ccw(c-26.5,26.5)
  pour cut-out: -28.5,-26.5 ccw(c-26.5,-26.5) -26.5,-28.5 ccw(c-26.5,-26.5) -24.5,-26.5 ccw(c-26.5,-26.5) -26.5,-24.5 ccw(c-26.5,-26.5)
  pour cut-out: 24.5,-26.5 ccw(c26.5,-26.5) 26.5,-28.5 ccw(c26.5,-26.5) 28.5,-26.5 ccw(c26.5,-26.5) 26.5,-24.5 ccw(c26.5,-26.5)
  pour cut-out: 25.793,-0.254 ccw(c32.944,-0.254) 32.944,-7.405 ccw(c32.944,-0.254) 40.094,-0.254 ccw(c32.944,-0.254) 32.944,6.897 ccw(c32.944,-0.254)
  pour cut-out: -33,-7.151 cw(c-33,0) -40.151,0 cw(c-33,0) -33,7.151 cw(c-33,0) -25.849,0 cw(c-33,0)
Bottom Layer:
  region net GND: 2.464,-6.426 0.813,-6.426 0.711,-6.528 0.711,-6.96 0.864,-7.112 0.932,-7.044 2.438,-7.044
  pour cut-out: 24.5,26.5 ccw(c26.5,26.5) 26.5,24.5 ccw(c26.5,26.5) 28.5,26.5 ccw(c26.5,26.5) 26.5,28.5 ccw(c26.5,26.5)
  pour cut-out: -28.5,26.5 ccw(c-26.5,26.5) -26.5,24.5 ccw(c-26.5,26.5) -24.5,26.5 ccw(c-26.5,26.5) -26.5,28.5 ccw(c-26.5,26.5)
  pour cut-out: -28.5,-26.5 ccw(c-26.5,-26.5) -26.5,-28.5 ccw(c-26.5,-26.5) -24.5,-26.5 ccw(c-26.5,-26.5) -26.5,-24.5 ccw(c-26.5,-26.5)
  pour cut-out: 24.5,-26.5 ccw(c26.5,-26.5) 26.5,-28.5 ccw(c26.5,-26.5) 28.5,-26.5 ccw(c26.5,-26.5) 26.5,-24.5 ccw(c26.5,-26.5)
  pour cut-out: -33,-5.525 cw(c-33,-0.025) -38.5,-0.025 cw(c-33,-0.025) -33,5.475 cw(c-33,-0.025) -27.5,-0.025 cw(c-33,-0.025)
  region net GND: -5.572,-9.563 -7.353,-9.563 ccw(c-7.353,-9.677) -7.468,-9.677 -7.468,-10.084 ccw(c-7.442,-10.084) -7.442,-10.109 -5.877,-10.109 ccw(c-5.877,-9.804) -5.572,-9.804
  pour cut-out: 25.793,-0.254 ccw(c32.944,-0.254) 32.944,-7.405 ccw(c32.944,-0.254) 40.094,-0.254 ccw(c32.944,-0.254) 32.944,6.897 ccw(c32.944,-0.254)
  pour cut-out: -33,-7.151 cw(c-33,0) -40.151,0 cw(c-33,0) -33,7.151 cw(c-33,0) -25.849,0 cw(c-33,0)

## Silkscreen, mask and mechanical layers (free items; w line width, h text height)
Top Overlay:
  drawing of 680 lines, arcs and shapes, not listed
  text "V1.3" at -29.566,42.164 h1.52
  text "2025-02-17" at -25.197,42.088 h1.52
  text "修改板边和增加测试点" at -17.043,42.088 h1.52
  text "HS-1025  控制板" at -11.024,21.285 h2
  text "82*59*1.6mm_250418V1.3" at -13.614,18.898 h2
  text "VCC" at -12.192,-25.324 h1.52 r90
  text "DIO" at -14.884,-25.425 h1.52 r90
  text "CLK" at -17.297,-25.451 h1.52 r90
  text "GND" at -19.964,-25.603 h1.52 r90
Bottom Overlay:
  circle w0.5: c0.051,23.127 r5
  lines w0.152: 14.554,23.952 ccw(c15.138,23.952) 15.138,23.368 18.161,23.368 ccw(c18.161,23.901) 18.694,23.901 18.694,24.994 ccw(c18.034,24.994) 18.034,25.654 16.739,25.654 15.367,25.654 ccw(c15.367,24.841) 14.554,24.841 14.554,23.952 ; 14.707,17.729 ccw(c15.291,17.729) 15.291,17.145 18.313,17.145 ccw(c18.313,17.678) 18.847,17.678 18.847,18.771 ccw(c18.186,18.771) 18.186,19.431 16.891,19.431 15.519,19.431 ccw(c15.519,18.618) 14.707,18.618 14.707,17.729
  lines w0.3: 4.826,22.022 ccw(c5.029,22.022) 5.029,21.819 8.433,21.819 ccw(c8.433,22.581) 9.195,22.581 9.195,22.936 ccw(c8.28,22.936) 8.28,23.851 5.029,23.851
  text "蓝" at 13.487,25.248 h2
  text "S1025-S0-A0" at 4.039,24.663 h1.52
  text "振动马达" at 3.48,22.377 h2
  text "红" at 13.411,16.662 h2
Mechanical 1:
  drawing of 776 lines, arcs and shapes, not listed

## Text inside footprints (layer, text, board x,y; h text height)
Designator206: Top Overlay "94V-0 1.6mm" at -7.062,8.636 h1.52; Top Overlay "JD-F" at -2.439,13.843 h1.52; Top Overlay "E252800" at -2.744,10.871 h1.52
EC24: Top Overlay "0.5" at 209.065,-11.355 h3.5; Top Overlay "0.3" at 209.192,-6.58 h3.5; Top Overlay "0.2" at 208.964,-1.398 h3.5; Top Overlay "0.1" at 208.966,3.505 h3.5; Top Overlay ">120-400" at 188.821,-11.584 h3.5; Top Overlay ">30-120" at 189.406,-6.834 h3.5; Top Overlay ">6-30" at 190.98,-1.678 h3.5; Top Overlay ">0.5-6" at 191.184,2.793 h3.5; Top Overlay "公差mm" at 205.966,8.66 h3.5; Top Overlay "尺寸cm" at 191.082,8.66 h3.5; Top Overlay "ZD-95(G)F" at 171.653,3.404 h3.5; Top Overlay "ZD-90F" at 173.988,8.914 h3.5; Top Overlay "KB-3151" at 154.455,8.812 h3.5; Top Overlay "KB-5150" at 154.481,3.555 h3.5; Top Overlay "8mm" at 208.405,-16.41 h3.5; Top Overlay "6mm" at 194.409,-16.384 h3.5; Top Overlay "4mm" at 179.119,-16.74 h3.5; Top Overlay "工艺孔,工艺点离铜箔须大于1mm" at 171.933,-21.692 h3.5; Top Overlay "机械板边" at 159.715,-16.662 h3.5; Top Overlay "镀金" at 126.949,-16.408 h3.5; Top Overlay "沉金" at 146.152,-16.612 h3.5; Top Overlay "ILM-R1" at 173.581,-1.551 h3.5; Top Overlay "KB-6160" at 154.633,-1.729 h3.5; Top Overlay "70uM" at 174.47,-11.406 h3.5; Top Overlay "35uM" at 156.157,-11 h3.5; Top Overlay "≥175" at 155.471,-6.275 h3.5; Top Overlay "18uM" at 138.047,-11.127 h3.5; Top Overlay "≥100" at 137.894,-5.869 h3.5; Top Overlay "FR-4" at 138.453,-1.297 h3.5; Top Overlay "CEM-1" at 137.617,3.683 h3.5; Top Overlay "≥600" at 174.343,-6.428 h3.5; Top Overlay "铜厚" at 124.206,-11.811 h3.5; Top Overlay "CTI" at 124.714,-6.655 h3.5; Top Overlay "喷锡" at 108.052,-16.51 h3.5; Top Overlay "绿油黑字" at 107.313,-6.25 h3.5; Top Overlay "板材" at 125.017,3.834 h3.5; Top Overlay "2.0mm" at 108.43,-1.17 h3.5; Top Overlay "1.2mm" at 108.024,3.732 h3.5; Top Overlay "PCB板上需印防火等级,认证号,板材型号(不能被遮档)" at 87.425,-26.468 h3.5; Top Overlay "供应商的相关丝印请放在大元件底部(DIP后不能看到)" at 87.323,-21.414 h3.5; Top Overlay "抗氧化" at 87.655,-16.358 h3.5; Top Overlay "白油黑字" at 87.071,-11.278 h3.5; Top Overlay "绿油白字" at 87.047,-6.044 h3.5; Top Overlay "1.6mm" at 87.831,-0.992 h3.5; Top Overlay "1.0mm" at 88.085,3.859 h3.5; Top Overlay "特殊工艺" at 68.936,-23.647 h3.5; Top Overlay "工艺" at 71.854,-16.384 h3.5; Top Overlay "油墨" at 71.78,-8.458 h3.5; Top Overlay "板厚" at 71.196,1.067 h3.5; Top Overlay "FR-1" at 138.76,8.636 h3.5; Top Overlay "双层板" at 108.151,8.635 h3.5; Top Overlay "单层板" at 87.933,8.889 h3.5; Top Overlay "板层" at 71.575,8.635 h3.5; Top Overlay "遮光黑油" at 107.315,-11.328 h3.5
EC111: Top Overlay "修改原因" at -2.311,40.259 h1.52; Top Overlay "日期" at -23.292,40.335 h1.52; Top Overlay "版本" at -29.261,40.335 h1.52